# Altium PCB Front Row.PcbDoc (part 2 of 2)
Units mm, origin at the board's own origin, x right, y up, seen from the top; angles counter-clockwise.
Board outline 154 x 45 mm, 8 copper layers (Top Layer, Layer 2, Layer 3, Layer 4, Layer 5, Layer 6, Layer 7, Bottom Layer), stack 1.611 mm thick; 29 components, 105 nets, 532 pads, 156 vias.
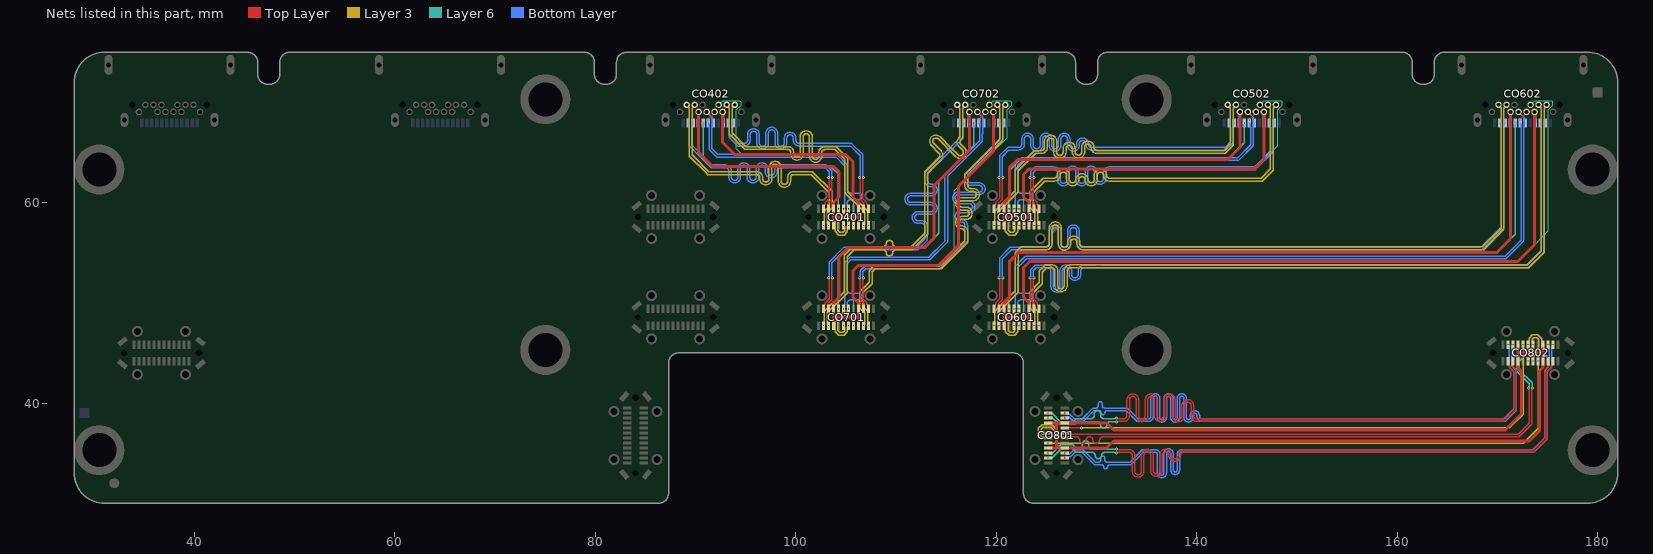
[diagram p8: the nets of this part, all layers, seen from the top]

## Via types
v1: diameter 0.3, hole 0.1, Top Layer to Bottom Layer, 156 vias

## Nets (pads, with @x,y where several pads share a name; then routed paths per layer and width w, separated by ;. In a path a pad name is that pad's centre, name@x,y a point inside that pad or via, vN(x,y) a via of type N, cw(c..) or ccw(c..) an arc to the next point about the centre after c; other vN are vias at no path point) (continued)
USB3_5V: CO401.4 CO401.9 CO401.24 CO401.29 CO402.4 CO402.9 CO402.24 CO402.29 | length 52.6
  Top Layer w0.3: CO402.29@90.3,69.05 90.3,65 91.7,63.6 103.775,63.6 104.3,63.075 104.3,60.564 103.75,60.014 CO401.4@103.75,59.39 103.75,58.56 ; CO402.24@92.7,69.05 92.7,66 93.9,64.8 105,64.8 105.7,64.1 105.7,60.564 106.25,60.014 CO401.9@106.25,59.39 106.25,58.56 ; CO401.29@103.75,57.73 103.75,58.56 ; CO401.24@106.25,57.73 106.25,58.56 ; 103.75,58.56 106.25,58.56
  Bottom Layer w0.3: CO402.4@90.25,67.94 90.275,67.965 90.275,69.025 CO402.29@90.3,69.05 ; CO402.24@92.7,69.05 92.725,69.025 92.725,67.965 CO402.9@92.75,67.94
USB3_CC1: CO401.5 CO402.5 | length 21.1
  Layer 6 w0.127: v1(90.75,67.94) 90.75,64.55 91.7,63.6 103.5,63.6 104.245,62.855 v1@104.245,59.38
  other v1: 104.25,59.39
USB3_CC2: CO401.25 CO402.25 | length 25.8
  Layer 6 w0.1: CO402.25@92.3,69.75 92.695,70.145 94.405,70.145 94.525,70.025 94.525,69.704 94.07,69.249 94.07,65.35 94.62,64.8 104.9,64.8 105.75,63.95 v1(105.75,57.73)
USB3_N: CO401.7 CO401.27 CO402.7 CO402.27 | length 28.8
  Layer 3 w0.125: v1(104.75,57.73) 104.75,57.683 104.853,57.58 104.853,57.212 104.7,57.06 104.4,57.06 104.3,57.16 104.2,57.26 104.2,57.99 105.148,58.938 105.148,59.24 105.25,59.343 v1(105.25,59.39)
  Bottom Layer w0.15: CO402.27@91.1,69.05 91.65,68.5 CO402.7@91.65,68.04 ; CO402.7@91.75,67.94 91.65,67.84 91.65,67.5 91.628,67.477 91.628,65.373 92.2,64.8 104.1,64.8 105.128,63.773 105.128,61.905 105.128,61.275 ccw(c105.456,61.275) 105.456,60.946 106.273,60.946 cw(c106.273,60.617) 106.602,60.617 cw(c106.273,60.617) 106.273,60.288 105.456,60.288 ccw(c105.456,59.959) 105.128,59.959 105.128,59.553 105.25,59.43 v1(105.25,59.39)
USB3_P: CO401.6 CO401.26 CO402.6 CO402.26 | length 27.2
  Top Layer w0.15: v1(91.25,68.25) 91.25,68.291 91.9,68.941 CO402.26@91.9,69.05
  Layer 3 w0.125: v1(104.75,59.39) 104.75,59.343 104.853,59.24 104.853,59.06 103.905,58.112 103.905,57.138 104.278,56.765 104.822,56.765 105.148,57.09 105.148,57.58 105.25,57.683 v1(105.25,57.73)
  Bottom Layer w0.15: CO402.6@91.25,67.94 91.35,67.84 91.35,67.5 91.372,67.477 91.372,65.267 92.094,64.545 103.994,64.545 104.873,63.667 104.873,59.553 104.75,59.43 v1(104.75,59.39)
USB3_RX1_N: CO401.30 CO402.30 | length 29.3
  Layer 3 w0.125: CO402.30@89.9,69.75 89.9,69.667 89.648,69.414 89.648,64.77 91.322,63.095 95.396,63.095 96.073,63.095 cw(c96.073,62.483) 96.684,62.483 96.684,62.368 ccw(c97.001,62.368) 97.317,62.368 97.317,63.496 cw(c97.929,63.496) 98.54,63.496 98.54,62.133 ccw(c98.857,62.133) 99.173,62.133 99.173,62.483 cw(c99.785,62.483) 99.785,63.095 99.995,63.095 101.64,63.095 103.608,61.127 103.608,59.475 103.148,59.015 103.148,57.88 103.25,57.777 v1(103.25,57.73)
USB3_RX1_P: CO401.31 CO402.31 | length 29.3
  Layer 3 w0.125: CO402.31@89.1,69.75 89.1,69.667 89.353,69.414 89.353,64.648 89.578,64.422 90.945,63.055 91.2,62.8 95.396,62.8 96.073,62.8 cw(c96.073,62.483) 96.389,62.483 96.389,62.368 ccw(c97.001,62.368) 97.612,62.368 97.612,63.496 cw(c97.929,63.496) 98.245,63.496 98.245,62.133 ccw(c98.857,62.133) 99.468,62.133 99.468,62.483 cw(c99.785,62.483) 99.785,62.8 99.995,62.8 101.518,62.8 103.28,61.038 103.313,61.005 103.313,59.598 102.852,59.138 102.852,57.88 102.75,57.777 v1(102.75,57.73)
USB3_RX2_N: CO401.10 CO402.10 | length 28.1
  Top Layer w0.15: v1(106.348,62.5) 106.348,62.459 106.42,62.387 106.42,60.304 106.772,59.952 106.772,59.412 CO401.10@106.75,59.39
  Bottom Layer w0.15: CO402.10@93.25,67.94 93.35,67.84 93.35,67.5 93.372,67.477 93.372,66.467 94.194,65.645 94.651,65.645 94.854,65.645 ccw(c94.854,66.229) 95.438,66.229 95.438,66.791 cw(c95.767,66.791) 96.096,66.791 96.096,65.942 ccw(c96.68,65.942) 97.264,65.942 97.264,66.928 cw(c97.593,66.928) 97.922,66.928 97.922,65.942 ccw(c98.506,65.942) 99.09,65.942 99.09,66.425 cw(c99.419,66.425) 99.748,66.425 99.748,66.229 ccw(c100.332,66.229) 100.332,65.645 101.333,65.645 102.103,65.645 102.836,65.645 102.836,65.617 103.494,65.617 103.494,65.645 103.677,65.645 105.455,65.645 106.42,64.68 106.42,62.613 106.348,62.541 v1(106.348,62.5)
USB3_RX2_P: CO401.11 CO402.11 | length 28.1
  Top Layer w0.15: v1(106.748,62.5) 106.748,62.459 106.675,62.387 106.675,60.41 107.075,60.01 107.075,59.84 107.25,59.665 CO401.11@107.25,59.39
  Bottom Layer w0.15: CO402.11@93.75,67.94 93.65,67.84 93.65,67.5 93.627,67.477 93.627,66.573 94.3,65.9 94.651,65.9 94.854,65.9 ccw(c94.854,66.229) 95.183,66.229 95.183,66.791 cw(c95.767,66.791) 96.351,66.791 96.351,65.942 ccw(c96.68,65.942) 97.009,65.942 97.009,66.928 cw(c97.593,66.928) 98.177,66.928 98.177,65.942 ccw(c98.506,65.942) 98.835,65.942 98.835,66.425 cw(c99.419,66.425) 100.003,66.425 100.003,66.229 ccw(c100.332,66.229) 100.332,65.9 101.333,65.9 105.561,65.9 106.675,64.786 106.675,62.613 106.748,62.541 v1(106.748,62.5)
USB3_TX1_N: CO401.3 CO402.3 | length 28.1
  Top Layer w0.15: CO401.3@103.25,59.39 103.228,59.412 103.228,59.952 103.58,60.304 103.58,62.387 103.653,62.459 v1(103.653,62.5)
  Bottom Layer w0.15: CO402.3@89.75,67.94 89.65,67.84 89.65,67.5 89.628,67.477 89.628,65.733 91.606,63.755 91.86,63.755 92.975,63.755 cw(c92.975,63.171) 93.559,63.171 93.559,62.546 ccw(c93.888,62.546) 94.217,62.546 94.217,63.382 cw(c94.801,63.382) 95.385,63.382 95.385,62.546 ccw(c95.714,62.546) 96.043,62.546 96.043,63.382 cw(c96.627,63.382) 97.211,63.382 97.211,63.04 ccw(c97.54,63.04) 97.869,63.04 97.869,63.171 cw(c98.453,63.171) 98.453,63.755 99.217,63.755 99.846,63.755 99.921,63.755 99.921,63.783 100.579,63.783 100.579,63.755 100.826,63.755 103.006,63.755 103.58,63.181 103.58,62.613 103.653,62.541 v1(103.653,62.5)
USB3_TX1_P: CO401.2 CO402.2 | length 28.1
  Top Layer w0.15: CO401.2@102.75,59.39 102.75,59.665 102.925,59.84 102.925,60.01 103.325,60.41 103.325,62.387 103.253,62.459 v1(103.253,62.5)
  Bottom Layer w0.15: CO402.2@89.25,67.94 89.35,67.84 89.35,67.5 89.373,67.477 89.373,65.627 91.5,63.5 91.86,63.5 92.975,63.5 cw(c92.975,63.171) 93.304,63.171 93.304,62.546 ccw(c93.888,62.546) 94.472,62.546 94.472,63.382 cw(c94.801,63.382) 95.13,63.382 95.13,62.546 ccw(c95.714,62.546) 96.298,62.546 96.298,63.382 cw(c96.627,63.382) 96.956,63.382 96.956,63.04 ccw(c97.54,63.04) 98.124,63.04 98.124,63.171 cw(c98.453,63.171) 98.453,63.5 99.217,63.5 102.9,63.5 103.325,63.075 103.325,62.613 103.253,62.541 v1(103.253,62.5)
USB3_TX2_N: CO401.23 CO402.23 | length 29.3
  Layer 3 w0.125: CO402.23@93.1,69.75 93.1,69.667 93.352,69.414 93.352,66.83 93.883,66.3 94.091,66.091 94.883,65.3 97.204,65.3 99.18,65.3 cw(c99.18,64.983) 99.497,64.983 99.497,64.848 ccw(c100.108,64.848) 100.72,64.848 100.72,66.546 cw(c101.036,66.546) 101.353,66.546 101.353,64.632 ccw(c101.964,64.632) 102.576,64.632 102.576,64.983 cw(c102.892,64.983) 102.892,65.3 103.102,65.3 103.9,65.3 104.7,64.5 104.9,64.3 104.9,60.968 106.853,59.015 106.853,57.88 106.75,57.777 v1(106.75,57.73)
USB3_TX2_P: CO401.22 CO402.22 | length 29.3
  Layer 3 w0.125: CO402.22@93.9,69.75 93.9,69.667 93.647,69.414 93.647,66.953 95.005,65.595 97.204,65.595 99.18,65.595 cw(c99.18,64.983) 99.792,64.983 99.792,64.848 ccw(c100.108,64.848) 100.425,64.848 100.425,66.546 cw(c101.036,66.546) 101.648,66.546 101.648,64.632 ccw(c101.964,64.632) 102.281,64.632 102.281,64.983 cw(c102.892,64.983) 102.892,65.595 103.102,65.595 104.022,65.595 105.195,64.422 105.195,61.09 107.148,59.138 107.148,57.88 107.25,57.777 v1(107.25,57.73)
USB4_5V: CO501.4 CO501.9 CO501.24 CO501.29 CO502.4 CO502.9 CO502.24 CO502.29 | length 72.8
  Top Layer w0.3: CO501.29@120.75,57.73 120.75,58.56 ; CO501.24@123.25,57.73 123.25,58.56 ; CO502.29@144.3,69.05 144.3,65.5 143.1,64.3 122.125,64.3 121.3,63.475 121.3,60.564 120.75,60.014 CO501.4@120.75,59.39 120.75,58.56 ; CO502.24@146.7,69.05 146.7,64.3 145.775,63.375 123.275,63.375 122.7,62.8 122.7,60.564 123.25,60.014 CO501.9@123.25,59.39 123.25,58.56 ; 120.75,58.56 123.25,58.56
  Bottom Layer w0.3: CO502.4@144.25,67.94 144.275,67.965 144.275,69.025 CO502.29@144.3,69.05 ; CO502.24@146.7,69.05 146.725,69.025 146.725,67.965 CO502.9@146.75,67.94
USB4_CC1: CO501.5 CO502.5 | length 30.4
  Layer 6 w0.127: v1@121.245,59.38 121.245,63.145 122.4,64.3 143.1,64.3 144.75,65.95 v1(144.75,67.94)
  other v1: 121.25,59.39
USB4_CC2: CO501.25 CO502.25 | length 38.6
  Layer 6 w0.1: v1(122.75,57.73) 122.75,62.85 123.3,63.4 134.213,63.4 145.8,63.4 146.3,63.9 148.07,65.67 148.07,69.249 148.525,69.704 148.525,70.025 148.405,70.145 146.695,70.145 CO502.25@146.3,69.75
USB4_N: CO501.7 CO501.27 CO502.7 CO502.27 | length 38.6
  Layer 3 w0.125: v1(121.75,57.73) 121.75,57.683 121.852,57.58 121.852,57.212 121.7,57.06 121.4,57.06 121.3,57.16 121.2,57.26 121.2,57.99 122.148,58.938 122.148,59.24 122.25,59.343 v1(122.25,59.39)
  Bottom Layer w0.15: v1(122.25,59.39) 122.25,59.43 122.128,59.553 122.128,59.959 cw(c122.456,59.959) 122.456,60.288 123.273,60.288 ccw(c123.273,60.617) 123.602,60.617 ccw(c123.273,60.617) 123.273,60.946 122.456,60.946 cw(c122.456,61.275) 122.128,61.275 122.128,61.679 122.128,63.728 122.6,64.2 144.161,64.2 145.628,65.667 145.628,67.477 145.65,67.5 145.65,67.84 CO502.7@145.75,67.94 ; CO502.27@145.1,69.05 145.65,68.5 CO502.7@145.65,68.04
USB4_P: CO501.6 CO501.26 CO502.6 CO502.26 | length 37
  Top Layer w0.15: v1(145.25,68.25) 145.25,68.291 145.9,68.941 CO502.26@145.9,69.05
  Layer 3 w0.125: v1(121.75,59.39) 121.75,59.343 121.852,59.24 121.852,59.06 120.905,58.112 120.905,57.138 121.278,56.765 121.822,56.765 122.148,57.09 122.148,57.58 122.25,57.683 v1(122.25,57.73)
  Bottom Layer w0.15: v1(121.75,59.39) 121.75,59.43 121.872,59.553 121.872,63.833 122.494,64.455 144.055,64.455 145.373,65.772 145.373,67.477 145.35,67.5 145.35,67.84 CO502.6@145.25,67.94
USB4_RX1_N: CO501.30 CO502.30 | length 39.1
  Layer 3 w0.125: v1(120.25,57.73) 120.25,57.777 120.147,57.88 120.147,59.015 122.195,61.063 122.195,63.178 123.917,64.9 124.273,64.9 124.483,64.9 ccw(c124.483,65.511) 125.094,65.511 125.094,66.12 cw(c125.411,66.12) 125.727,66.12 125.727,65.013 ccw(c126.339,65.013) 126.95,65.013 126.95,65.396 cw(c127.267,65.396) 127.583,65.396 127.583,65.047 ccw(c128.195,65.047) 128.806,65.047 128.806,65.512 cw(c129.123,65.512) 129.439,65.512 ccw(c130.051,65.511) 130.051,64.9 137.2,64.9 142.817,64.9 143.648,65.73 143.648,69.414 143.9,69.667 CO502.30@143.9,69.75
USB4_RX1_P: CO501.31 CO502.31 | length 39.1
  Layer 3 w0.125: v1(119.75,57.73) 119.75,57.777 119.852,57.88 119.852,59.138 121.9,61.185 121.9,63.3 123.795,65.195 124.273,65.195 124.483,65.195 ccw(c124.483,65.511) 124.799,65.511 124.799,66.12 cw(c125.411,66.12) 126.022,66.12 126.022,65.013 ccw(c126.339,65.013) 126.655,65.013 126.655,65.396 cw(c127.267,65.396) 127.878,65.396 127.878,65.047 ccw(c128.195,65.047) 128.511,65.047 128.511,65.512 cw(c129.123,65.512) 129.734,65.512 ccw(c130.051,65.511) 130.051,65.195 137.2,65.195 142.695,65.195 143.352,65.852 143.352,69.414 143.1,69.667 CO502.31@143.1,69.75
USB4_RX2_N: CO501.10 CO502.10 | length 39.1
  Top Layer w0.15: v1(123.348,62.5) 123.348,62.459 123.42,62.387 123.42,60.304 123.772,59.952 123.772,59.412 CO501.10@123.75,59.39
  Bottom Layer w0.15: v1(123.348,62.5) 123.348,62.541 123.42,62.613 123.42,63.106 123.869,63.555 124.669,63.555 125.785,63.555 cw(c125.785,62.971) 126.369,62.971 126.369,62.255 ccw(c126.698,62.255) 127.027,62.255 127.027,63.064 cw(c127.611,63.064) 128.195,63.064 128.195,62.255 ccw(c128.524,62.255) 128.853,62.255 128.853,63.064 cw(c129.437,63.064) 130.021,63.064 130.021,62.408 ccw(c130.35,62.408) 130.679,62.408 130.679,62.971 cw(c131.263,62.971) 131.263,63.555 132.585,63.555 132.895,63.555 132.97,63.555 132.97,63.583 133.628,63.583 133.628,63.555 133.958,63.555 145.755,63.555 147.372,65.172 147.372,67.477 147.35,67.5 147.35,67.84 CO502.10@147.25,67.94
USB4_RX2_P: CO501.11 CO502.11 | length 39.1
  Top Layer w0.15: v1(123.747,62.5) 123.747,62.459 123.675,62.387 123.675,60.41 124.075,60.01 124.075,59.84 124.25,59.665 CO501.11@124.25,59.39
  Bottom Layer w0.15: v1(123.747,62.5) 123.747,62.541 123.675,62.613 123.675,63 123.975,63.3 124.669,63.3 125.785,63.3 cw(c125.785,62.971) 126.114,62.971 126.114,62.255 ccw(c126.698,62.255) 127.282,62.255 127.282,63.064 cw(c127.611,63.064) 127.94,63.064 127.94,62.255 ccw(c128.524,62.255) 129.108,62.255 129.108,63.064 cw(c129.437,63.064) 129.766,63.064 129.766,62.408 ccw(c130.35,62.408) 130.934,62.408 130.934,62.971 cw(c131.263,62.971) 131.263,63.3 132.585,63.3 145.861,63.3 147.628,65.067 147.628,67.477 147.65,67.5 147.65,67.84 CO502.11@147.75,67.94
USB4_TX1_N: CO501.3 CO502.3 | length 39.1
  Top Layer w0.15: CO501.3@120.25,59.39 120.228,59.412 120.228,59.952 120.58,60.304 120.58,62.387 120.652,62.459 v1(120.652,62.5)
  Bottom Layer w0.15: v1(120.652,62.5) 120.652,62.541 120.58,62.613 120.58,64.58 121.245,65.245 122.003,65.245 122.206,65.245 ccw(c122.206,65.829) 122.79,65.829 122.79,66.331 cw(c123.119,66.331) 123.448,66.331 123.448,65.704 ccw(c124.032,65.704) 124.616,65.704 124.616,66.331 cw(c124.945,66.331) 125.274,66.331 125.274,65.704 ccw(c125.858,65.704) 126.442,65.704 126.442,66.331 cw(c126.771,66.331) 127.1,66.331 127.1,65.704 ccw(c127.684,65.704) 128.268,65.704 128.268,65.86 cw(c128.597,65.86) 128.926,65.86 128.926,65.829 ccw(c129.51,65.829) 129.51,65.245 130.501,65.245 130.526,65.245 131.259,65.245 131.259,65.217 131.917,65.217 131.917,65.245 132.52,65.245 142.906,65.245 143.628,65.967 143.628,67.477 143.65,67.5 143.65,67.84 CO502.3@143.75,67.94
USB4_TX1_P: CO501.2 CO502.2 | length 39.1
  Top Layer w0.15: CO501.2@119.75,59.39 119.75,59.665 119.925,59.84 119.925,60.01 120.325,60.41 120.325,62.387 120.253,62.459 v1(120.253,62.5)
  Bottom Layer w0.15: v1(120.253,62.5) 120.253,62.541 120.325,62.613 120.325,64.686 121.139,65.5 122.003,65.5 122.206,65.5 ccw(c122.206,65.829) 122.535,65.829 122.535,66.331 cw(c123.119,66.331) 123.703,66.331 123.703,65.704 ccw(c124.032,65.704) 124.361,65.704 124.361,66.331 cw(c124.945,66.331) 125.529,66.331 125.529,65.704 ccw(c125.858,65.704) 126.187,65.704 126.187,66.331 cw(c126.771,66.331) 127.355,66.331 127.355,65.704 ccw(c127.684,65.704) 128.013,65.704 128.013,65.86 cw(c128.597,65.86) 129.181,65.86 129.181,65.829 ccw(c129.51,65.829) 129.51,65.5 130.501,65.5 142.8,65.5 143.373,66.072 143.373,67.477 143.35,67.5 143.35,67.84 CO502.2@143.25,67.94
USB4_TX2_N: CO501.23 CO502.23 | length 39.1
  Layer 3 w0.125: v1(123.75,57.73) 123.75,57.777 123.853,57.88 123.853,59.015 123.392,59.475 123.392,61.127 124.684,62.419 125.54,62.419 125.75,62.419 ccw(c125.75,62.736) 126.067,62.736 cw(c126.678,62.736) 127.29,62.736 127.29,62.272 ccw(c127.606,62.272) 127.923,62.272 cw(c128.534,62.272) 129.146,62.272 ccw(c129.462,62.272) 129.779,62.272 129.779,62.736 cw(c130.39,62.736) 131.002,62.736 ccw(c131.318,62.736) 131.318,62.419 132.925,62.419 146.419,62.419 147.352,63.352 147.352,69.414 147.1,69.667 CO502.23@147.1,69.75
USB4_TX2_P: CO501.22 CO502.22 | length 39.1
  Layer 3 w0.125: v1(124.25,57.73) 124.25,57.777 124.148,57.88 124.148,59.138 123.687,59.598 123.687,61.005 123.72,61.038 124.807,62.124 125.54,62.124 125.75,62.124 ccw(c125.75,62.736) 126.362,62.736 cw(c126.678,62.736) 126.995,62.736 126.995,62.272 ccw(c127.606,62.272) 128.218,62.272 cw(c128.534,62.272) 128.851,62.272 ccw(c129.462,62.272) 130.074,62.272 130.074,62.736 cw(c130.39,62.736) 130.707,62.736 ccw(c131.318,62.736) 131.318,62.124 132.925,62.124 146.541,62.124 147.647,63.23 147.647,69.414 147.9,69.667 CO502.22@147.9,69.75
USB5_5V: CO601.4 CO601.9 CO601.24 CO601.29 CO602.4 CO602.9 CO602.24 CO602.29 | length 146.2
  Top Layer w0.3: CO601.29@120.75,47.73 120.75,48.56 ; CO601.24@123.25,47.73 123.25,48.56 ; CO602.29@171.3,69.05 171.3,56.4 169.9,55 166.9,55 122.2,55 121.3,54.1 121.3,50.564 120.75,50.014 CO601.4@120.75,49.39 120.75,48.56 ; CO602.24@173.7,69.05 173.7,55.8 172,54.1 166.9,54.1 123.3,54.1 122.7,53.5 122.7,50.564 123.25,50.014 CO601.9@123.25,49.39 123.25,48.56 ; 120.75,48.56 123.25,48.56
  Bottom Layer w0.3: CO602.4@171.25,67.94 171.275,67.965 171.275,69.025 CO602.29@171.3,69.05 ; CO602.24@173.7,69.05 173.725,69.025 173.725,67.965 CO602.9@173.75,67.94
USB5_CC1: CO601.5 CO602.5 | length 67.4
  Layer 6 w0.127: v1(121.25,49.39) 121.25,54.05 122.2,55 169.9,55 171.75,56.85 v1(171.75,67.94)
USB5_CC2: CO601.25 CO602.25 | length 75.1
  Layer 6 w0.1: v1(122.75,47.73) 122.75,53.55 123.3,54.1 172,54.1 173.3,55.4 175.07,57.17 175.07,69.249 175.525,69.704 175.525,70.025 175.405,70.145 173.695,70.145 CO602.25@173.3,69.75
USB5_N: CO601.7 CO601.27 CO602.7 CO602.27 | length 75.2
  Layer 3 w0.125: v1(121.75,47.73) 121.75,47.683 121.852,47.58 121.852,47.213 121.7,47.06 121.4,47.06 121.3,47.16 121.2,47.26 121.2,47.99 122.148,48.938 122.148,49.24 122.25,49.343 v1(122.25,49.39)
  Bottom Layer w0.15: v1(122.25,49.39) 122.25,49.43 122.128,49.553 122.128,49.959 cw(c122.456,49.959) 122.456,50.288 123.273,50.288 ccw(c123.273,50.617) 123.602,50.617 ccw(c123.273,50.617) 123.273,50.946 122.456,50.946 cw(c122.456,51.275) 122.128,51.275 122.128,51.692 122.128,53.528 123,54.4 170.861,54.4 172.628,56.167 172.628,67.477 172.65,67.5 172.65,67.84 CO602.7@172.75,67.94 ; CO602.27@172.1,69.05 172.65,68.5 CO602.7@172.65,68.04
USB5_P: CO601.6 CO601.26 CO602.6 CO602.26 | length 73.6
  Top Layer w0.15: v1(172.25,68.25) 172.25,68.291 172.9,68.941 CO602.26@172.9,69.05
  Layer 3 w0.125: v1(121.75,49.39) 121.75,49.343 121.852,49.24 121.852,49.06 120.905,48.112 120.905,47.138 121.278,46.765 121.822,46.765 122.148,47.09 122.148,47.58 122.25,47.683 v1(122.25,47.73)
  Bottom Layer w0.15: v1(121.75,49.39) 121.75,49.43 121.872,49.553 121.872,53.633 122.894,54.655 170.755,54.655 172.373,56.272 172.373,67.477 172.35,67.5 172.35,67.84 CO602.6@172.25,67.94
USB5_RX1_N: CO601.30 CO602.30 | length 76.1
  Layer 3 w0.125: v1(120.25,47.73) 120.25,47.777 120.147,47.88 120.147,49.015 122.195,51.063 122.195,54.895 122.6,55.3 124.733,55.3 124.943,55.3 ccw(c124.943,55.912) 125.554,55.912 125.554,57.456 cw(c125.871,57.456) 126.187,57.456 126.187,55.847 ccw(c126.799,55.847) 127.41,55.847 127.41,56.047 cw(c127.727,56.047) 128.043,56.047 128.043,55.912 ccw(c128.655,55.912) 128.655,55.3 129.483,55.3 166.9,55.3 168.617,55.3 170.648,57.33 170.648,69.414 ; 170.648,69.414 CO602.30@170.9,69.667 ; 170.647,69.414 CO602.30@170.9,69.667 ; CO602.30@170.9,69.667 CO602.30@170.9,69.75 CO602.30@170.9,69.667
USB5_RX1_P: CO601.31 CO602.31 | length 76.1
  Layer 3 w0.125: v1(119.75,47.73) 119.75,47.777 119.852,47.88 119.852,49.138 121.9,51.185 121.9,55.017 122.478,55.595 124.733,55.595 124.943,55.595 ccw(c124.943,55.912) 125.259,55.912 125.259,57.456 cw(c125.871,57.456) 126.482,57.456 126.482,55.847 ccw(c126.799,55.847) 127.115,55.847 127.115,56.047 cw(c127.727,56.047) 128.338,56.047 128.338,55.912 ccw(c128.655,55.912) 128.655,55.595 129.483,55.595 166.9,55.595 168.495,55.595 170.353,57.453 170.353,69.414 ; CO602.31@170.1,69.667 CO602.31@170.1,69.75 CO602.31@170.1,69.667 ; CO602.31@170.1,69.667 170.352,69.414 ; CO602.31@170.1,69.667 170.353,69.414
USB5_RX2_N: CO601.10 CO602.10 | length 74.6
  Top Layer w0.15: v1(123.348,52.5) 123.348,52.459 123.42,52.387 123.42,50.304 123.772,49.952 123.772,49.412 CO601.10@123.75,49.39
  Bottom Layer w0.15: v1(123.348,52.5) 123.348,52.541 123.42,52.613 123.42,53.306 123.869,53.755 123.983,53.755 125.098,53.755 cw(c125.098,53.171) 125.682,53.171 125.682,51.653 ccw(c126.011,51.653) 126.34,51.653 126.34,53.201 cw(c126.924,53.201) 127.508,53.201 127.508,52.825 ccw(c127.837,52.825) 128.166,52.825 128.166,53.171 cw(c128.75,53.171) 128.75,53.755 129.834,53.755 129.84,53.755 129.915,53.755 129.915,53.783 130.573,53.783 130.573,53.755 131.26,53.755 172.955,53.755 174.372,55.172 174.372,67.477 174.35,67.5 174.35,67.84 CO602.10@174.25,67.94
USB5_RX2_P: CO601.11 CO602.11 | length 74.6
  Top Layer w0.15: v1(123.747,52.5) 123.747,52.459 123.675,52.387 123.675,50.41 124.075,50.01 124.075,49.84 124.25,49.665 CO601.11@124.25,49.39
  Bottom Layer w0.15: v1(123.747,52.5) 123.747,52.541 123.675,52.613 123.675,53.2 123.975,53.5 123.983,53.5 125.098,53.5 cw(c125.098,53.171) 125.427,53.171 125.427,51.653 ccw(c126.011,51.653) 126.595,51.653 126.595,53.201 cw(c126.924,53.201) 127.253,53.201 127.253,52.825 ccw(c127.837,52.825) 128.421,52.825 128.421,53.171 cw(c128.75,53.171) 128.75,53.5 129.834,53.5 173.061,53.5 174.627,55.067 174.627,67.477 174.65,67.5 174.65,67.84 CO602.11@174.75,67.94
USB5_TX1_N: CO601.3 CO602.3 | length 74.4
  Top Layer w0.15: CO601.3@120.25,49.39 120.228,49.412 120.228,49.952 120.58,50.304 120.58,52.387 120.652,52.459 v1(120.652,52.5)
  Bottom Layer w0.15: v1(120.652,52.5) 120.652,52.541 120.58,52.613 120.58,54.38 121.5,55.3 124.753,55.3 124.955,55.3 ccw(c124.955,55.884) 125.539,55.884 125.539,57.179 cw(c125.868,57.179) 126.197,57.179 126.197,55.852 ccw(c126.781,55.852) 127.365,55.852 127.365,57.179 cw(c127.694,57.179) 128.023,57.179 128.023,55.884 ccw(c128.607,55.884) 128.607,55.3 129.41,55.3 130.143,55.3 130.143,55.272 130.801,55.272 130.801,55.3 131.176,55.3 168.461,55.3 170.628,57.467 170.628,67.477 170.65,67.5 170.65,67.84 CO602.3@170.75,67.94
USB5_TX1_P: CO601.2 CO602.2 | length 74.5
  Top Layer w0.15: CO601.2@119.75,49.39 119.75,49.665 119.925,49.84 119.925,50.01 120.325,50.41 120.325,52.387 120.253,52.459 v1(120.253,52.5)
  Bottom Layer w0.15: v1(120.253,52.5) 120.253,52.541 120.325,52.613 120.325,54.486 121.394,55.555 124.753,55.555 124.955,55.555 ccw(c124.955,55.884) 125.284,55.884 125.284,57.179 cw(c125.868,57.179) 126.452,57.179 126.452,55.852 ccw(c126.781,55.852) 127.11,55.852 127.11,57.179 cw(c127.694,57.179) 128.278,57.179 128.278,55.884 ccw(c128.607,55.884) 128.607,55.555 129.41,55.555 168.355,55.555 170.373,57.573 170.373,67.477 170.35,67.5 170.35,67.84 CO602.2@170.25,67.94
USB5_TX2_N: CO601.23 CO602.23 | length 75.6
  Layer 3 w0.125: v1(123.75,47.73) 123.75,47.777 123.853,47.88 123.853,49.015 123.392,49.475 123.392,51.127 124.3,52.035 124.3,53.2 124.616,53.516 124.895,53.795 125.522,53.795 cw(c125.522,53.184) 126.134,53.184 126.134,51.703 ccw(c126.45,51.703) 126.767,51.703 126.767,53.184 cw(c127.378,53.184) 127.378,53.795 128.632,53.795 172.973,53.795 174.352,55.175 174.352,69.414 174.1,69.667 CO602.23@174.1,69.75
USB5_TX2_P: CO601.22 CO602.22 | length 75.6
  Layer 3 w0.125: v1(124.25,47.73) 124.25,47.777 124.148,47.88 124.148,49.138 123.687,49.598 123.687,51.005 123.72,51.038 124.595,51.913 124.595,53.078 124.616,53.099 125.017,53.5 125.522,53.5 cw(c125.522,53.184) 125.839,53.184 125.839,51.703 ccw(c126.45,51.703) 127.062,51.703 127.062,53.184 cw(c127.378,53.184) 127.378,53.5 128.632,53.5 173.095,53.5 174.647,55.053 174.647,69.414 174.9,69.667 CO602.22@174.9,69.75
USB6_5V: CO701.4 CO701.9 CO701.24 CO701.29 CO702.4 CO702.9 CO702.24 CO702.29 | length 68.2
  Top Layer w0.3: CO701.29@103.75,47.73 103.75,48.56 ; CO701.24@106.25,47.73 106.25,48.56 ; CO702.29@117.3,69.05 117.3,65.2 113.8,61.7 113.8,56.5 112.8,55.5 105.2,55.5 104.3,54.6 104.3,50.564 103.75,50.014 CO701.4@103.75,49.39 103.75,48.56 ; CO702.24@119.7,69.05 119.7,65.1 116.2,61.6 116.2,55.7 114.2,53.7 106.2,53.7 105.7,53.2 105.7,50.564 106.25,50.014 CO701.9@106.25,49.39 106.25,48.56 ; 103.75,48.56 106.25,48.56
  Bottom Layer w0.3: CO702.4@117.25,67.94 117.275,67.965 117.275,69.025 CO702.29@117.3,69.05 ; CO702.24@119.7,69.05 119.725,69.025 119.725,67.965 CO702.9@119.75,67.94
USB6_CC1: CO701.5 CO702.5 | length 28.6
  Layer 6 w0.127: v1@104.245,49.38 104.245,54.545 105.2,55.5 112.8,55.5 114.25,56.95 114.25,62.15 117.75,65.65 v1(117.75,67.94)
  other v1: 104.25,49.39
USB6_CC2: CO701.25 CO702.25 | length 36
  Layer 6 w0.1: v1(105.75,47.73) 105.75,53.25 106.2,53.7 114.3,53.7 115.8,55.2 115.8,61.2 119.3,64.7 121.07,66.47 121.07,69.249 121.525,69.704 121.525,70.025 121.405,70.145 119.695,70.145 CO702.25@119.3,69.75
USB6_N: CO701.7 CO701.27 CO702.7 CO702.27 | length 36.4
  Layer 3 w0.125: v1(104.75,47.73) 104.75,47.683 104.853,47.58 104.853,47.213 104.7,47.06 104.4,47.06 104.3,47.16 104.2,47.26 104.2,47.99 105.148,48.938 105.148,49.24 105.25,49.343 v1(105.25,49.39)
  Bottom Layer w0.15: v1(105.25,49.39) 105.25,49.43 105.128,49.553 105.128,49.959 cw(c105.456,49.959) 105.456,50.288 106.275,50.288 ccw(c106.275,50.617) 106.604,50.617 ccw(c106.275,50.617) 106.275,50.946 105.456,50.946 cw(c105.456,51.275) 105.128,51.275 105.128,52 105.128,53.928 105.5,54.3 113.361,54.3 115.128,56.067 115.128,62.627 118.614,66.114 118.614,66.854 118.622,66.863 118.622,67.472 118.65,67.5 118.65,67.84 CO702.7@118.75,67.94 ; CO702.27@118.1,69.05 118.65,68.5 CO702.7@118.65,68.04
USB6_P: CO701.6 CO701.26 CO702.6 CO702.26 | length 34.8
  Top Layer w0.15: v1(118.25,68.25) 118.25,68.291 118.9,68.941 CO702.26@118.9,69.05
  Layer 3 w0.125: v1(104.75,49.39) 104.75,49.343 104.853,49.24 104.853,49.06 103.905,48.112 103.905,47.138 104.278,46.765 104.822,46.765 105.148,47.09 105.148,47.58 105.25,47.683 v1(105.25,47.73)
  Bottom Layer w0.15: v1(104.75,49.39) 104.75,49.43 104.873,49.553 104.873,54.033 105.394,54.555 113.255,54.555 114.873,56.173 114.873,62.733 118.359,66.219 118.359,66.96 118.367,66.969 118.367,67.482 ; CO702.6@118.25,67.94 118.35,67.84 118.35,67.5 118.367,67.482 ; 118.372,67.477 118.367,67.482
USB6_RX1_N: CO701.30 CO702.30 | length 37.6
  Layer 3 w0.125: v1(103.25,47.73) 103.25,47.777 103.148,47.88 103.148,49.015 105.1,50.968 105.1,54.6 105.8,55.3 108.005,55.3 108.701,55.3 cw(c108.701,54.984) 109.017,54.984 ccw(c109.334,54.983) 109.334,54.667 ccw(c109.334,54.983) 109.65,54.983 cw(c109.967,54.984) 109.967,55.3 110.603,55.3 111.622,55.3 113.148,56.825 113.148,62.948 113.761,63.561 114.487,64.287 ccw(c114.055,64.72) 114.487,65.152 113.734,65.905 cw(c113.958,66.129) 114.181,66.353 115.972,64.562 ccw(c116.405,64.994) 116.838,64.561 ccw(c116.405,64.994) 116.881,65.378 116.881,65.383 116.456,65.808 cw(c116.68,66.032) 116.456,66.256 116.604,66.404 116.648,66.448 116.648,69.414 116.9,69.667 CO702.30@116.9,69.75
USB6_RX1_P: CO701.31 CO702.31 | length 37.6
  Layer 3 w0.125: v1(102.75,47.73) 102.75,47.777 102.852,47.88 102.852,49.138 104.805,51.09 104.805,54.722 105.678,55.595 107.378,55.595 108.706,55.595 ccw(c108.706,55.912) 109.023,55.912 cw(c109.339,55.912) 109.339,56.229 cw(c109.339,55.912) 109.656,55.912 ccw(c109.972,55.912) 109.972,55.595 110.699,55.595 111.5,55.595 112.853,56.948 112.853,63.07 113.552,63.77 114.279,64.496 ccw(c114.055,64.72) 114.279,64.943 113.525,65.697 cw(c113.958,66.129) 113.524,66.561 113.525,66.562 cw(c113.958,66.129) 114.39,66.562 115.469,65.483 116.182,64.77 ccw(c116.405,64.994) 116.629,64.77 ccw(c116.405,64.994) 116.629,65.218 ; CO702.31@116.1,69.75 116.1,69.667 116.353,69.414 116.353,66.656 116.353,66.57 116.246,66.463 ccw(c116.68,66.032) 116.248,65.599 116.628,65.218
USB6_RX2_N: CO701.10 CO702.10 | length 36.4
  Top Layer w0.15: v1(106.348,52.5) 106.348,52.459 106.42,52.387 106.42,50.304 106.772,49.952 106.772,49.412 CO701.10@106.75,49.39
  Bottom Layer w0.15: v1(106.348,52.5) 106.348,52.541 106.42,52.613 106.42,53.206 106.869,53.655 107.323,53.655 107.398,53.655 107.398,53.684 108.056,53.684 108.056,53.655 108.708,53.655 114.255,53.655 116.257,55.657 116.872,56.272 116.872,57.733 ccw(c116.544,57.733) 116.544,58.062 116.485,58.062 cw(c116.485,58.646) 116.485,59.23 117.288,59.23 ccw(c117.288,59.558) 117.288,59.887 116.216,59.887 cw(c116.216,60.471) 116.216,61.055 118.291,61.055 ccw(c118.291,61.384) 118.291,61.713 117.456,61.713 cw(c117.456,62.297) 116.872,62.297 116.872,62.5 116.872,62.873 120.367,66.367 120.367,67.482 ; CO702.10@120.25,67.94 120.35,67.84 120.35,67.5 120.367,67.482 ; 120.372,67.477 120.367,67.482
USB6_RX2_P: CO701.11 CO702.11 | length 36.5
  Top Layer w0.15: v1(106.748,52.5) 106.748,52.459 106.675,52.387 106.675,50.41 107.075,50.01 107.075,49.84 107.25,49.665 CO701.11@107.25,49.39
  Bottom Layer w0.15: v1(106.748,52.5) 106.748,52.541 106.675,52.613 106.675,53.1 106.975,53.4 114.361,53.4 116.618,55.657 117.128,56.167 117.128,57.733 ccw(c116.544,57.733) 116.544,58.317 116.485,58.317 cw(c116.485,58.646) 116.485,58.974 117.288,58.974 ccw(c117.288,59.558) 117.288,60.142 116.216,60.142 cw(c116.216,60.471) 116.216,60.8 118.291,60.8 ccw(c118.291,61.384) 118.291,61.968 117.456,61.968 cw(c117.456,62.297) 117.128,62.297 117.128,62.5 117.128,62.767 120.622,66.262 120.622,67.472 120.65,67.5 120.65,67.84 CO702.11@120.75,67.94
USB6_TX1_N: CO701.3 CO702.3 | length 36.9
  Top Layer w0.15: CO701.3@103.25,49.39 103.228,49.412 103.228,49.952 103.58,50.304 103.58,52.387 103.653,52.459 v1(103.653,52.5)
  Bottom Layer w0.15: v1(103.653,52.5) 103.653,52.541 103.58,52.613 103.58,53.98 104.9,55.3 106.888,55.3 107.621,55.3 107.621,55.272 108.279,55.272 108.279,55.3 108.712,55.3 112.161,55.3 113.128,56.267 113.128,56.4 113.128,57.605 ccw(c112.544,57.605) 112.544,58.189 112.189,58.189 cw(c112.189,58.518) 112.189,58.847 113.502,58.847 ccw(c113.502,59.431) 113.502,60.015 111.457,60.015 cw(c111.457,60.344) 111.457,60.673 113.502,60.673 ccw(c113.502,61.257) 113.502,61.841 ; 113.502,61.841 113.457,61.841 cw(c113.457,62.17) 113.128,62.17 113.128,62.372 113.128,62.867 116.628,66.367 116.628,67.477 116.65,67.5 116.65,67.84 CO702.3@116.75,67.94
USB6_TX1_P: CO701.2 CO702.2 | length 37
  Top Layer w0.15: CO701.2@102.75,49.39 102.75,49.665 102.925,49.84 102.925,50.01 103.325,50.41 103.325,52.387 103.253,52.459 v1(103.253,52.5)
  Bottom Layer w0.15: v1(103.253,52.5) 103.253,52.541 103.325,52.613 103.325,54.086 104.794,55.555 112.055,55.555 112.873,56.372 112.873,56.4 112.873,57.605 ccw(c112.544,57.605) 112.544,57.934 112.189,57.934 cw(c112.189,58.518) 112.189,59.102 113.502,59.102 ccw(c113.502,59.431) 113.502,59.76 111.457,59.76 cw(c111.457,60.344) 111.457,60.928 113.502,60.928 ccw(c113.502,61.257) 113.502,61.586 113.457,61.586 cw(c113.457,62.17) 112.873,62.17 112.873,62.372 112.873,62.973 116.373,66.473 116.373,67.477 116.35,67.5 116.35,67.84 CO702.2@116.25,67.94
USB6_TX2_N: CO701.23 CO702.23 | length 36.9
  Layer 3 w0.125: v1(106.75,47.73) 106.75,47.777 106.853,47.88 106.853,49.015 106.392,49.475 106.392,51.127 107.3,52.035 107.3,53.217 107.778,53.695 114.395,53.695 116.852,56.152 116.852,57.08 ccw(c116.536,57.08) 116.536,57.396 cw(c116.536,58.008) 116.536,58.619 116.976,58.619 ccw(c116.976,58.936) 116.976,59.252 116.552,59.252 cw(c116.552,59.864) 116.552,60.475 117.693,60.475 ccw(c117.693,60.792) 117.693,61.108 117.464,61.108 cw(c117.464,61.72) 116.852,61.72 116.852,61.93 116.852,62.77 120.352,66.27 120.352,69.414 120.1,69.667 CO702.23@120.1,69.75
USB6_TX2_P: CO701.22 CO702.22 | length 36.9
  Layer 3 w0.125: v1(107.25,47.73) 107.25,47.777 107.148,47.88 107.148,49.138 106.688,49.598 106.688,51.005 106.72,51.038 107.595,51.913 107.595,53.095 107.9,53.4 114.517,53.4 117.148,56.03 117.148,56.152 117.148,57.08 ccw(c116.536,57.08) 116.536,57.691 cw(c116.536,58.008) 116.536,58.324 116.976,58.324 ccw(c116.976,58.936) 116.976,59.547 116.552,59.547 cw(c116.552,59.864) 116.552,60.18 117.693,60.18 ccw(c117.693,60.792) 117.693,61.403 117.464,61.403 cw(c117.464,61.72) 117.148,61.72 117.148,61.93 117.148,62.647 120.647,66.147 120.647,69.414 120.9,69.667 CO702.22@120.9,69.75
USB7_5V: CO801.4 CO801.9 CO801.24 CO801.29 CO802.4 CO802.9 CO802.24 CO802.29 | length 118.7
  Top Layer w0.3: CO801.4@125.17,35.513 126,35.513 ; CO801.9@125.17,38.013 126,38.013 ; CO802.24@172.05,45.836 172.05,45.006 ; CO802.29@174.55,45.836 174.55,45.006 ; 126,35.513 130.99,35.513 131.7,36.223 173.2,36.223 174.2,37.223 174.2,43.202 174.55,43.552 CO802.4@174.55,44.176 174.55,45.006 ; 126,35.513 126,38.013 ; 126,38.013 131.01,38.013 131.7,37.323 170.8,37.323 172.4,38.923 172.4,43.202 172.05,43.552 CO802.9@172.05,44.176 172.05,45.006 ; 172.05,45.006 174.55,45.006
USB7_CC1: CO801.5 CO802.5 | length 56.2
  Layer 3 w0.127: v1(125.17,36.013) 172.59,36.013 174.05,37.473 v1(174.05,44.176)
USB7_CC2: CO801.25 CO802.25 | length 53.2
  Top Layer w0.127: CO801.25@126.83,37.513 v1(128.5,37.513)
  Layer 3 w0.127: v1(128.5,37.513) 171.19,37.513 172.55,38.873 v1(172.55,45.836)
USB7_N: CO801.7 CO801.27 CO802.7 CO802.27 | length 66.1
  Top Layer w0.15: v1(173.5,41.506) 173.5,41.465 173.427,41.393 173.427,37.89 172.173,36.635 131.391,36.635 130.62,36.635 ccw(c130.62,36.307) 130.291,36.307 cw(c129.962,36.306) 129.962,35.977 cw(c129.962,36.306) 129.633,36.306 ccw(c129.304,36.307) 129.304,36.635 ccw(c129.304,36.307) 128.975,36.307 128.975,36.291 cw(c128.646,36.291) 128.646,35.962 cw(c128.646,36.291) 128.317,36.291 128.317,36.307 ccw(c127.988,36.307) 127.988,36.635 127.255,36.635 CO801.27@127.228,36.635 ; CO801.27@127.105,36.513 CO801.27@127.228,36.635 ; CO801.27@127.105,36.513 v1(126.83,36.513) CO801.27@127.105,36.513 ; CO801.27@127.105,36.513 CO801.27@127.228,36.635
  Layer 3 w0.125: v1(125.17,37.013) 125.123,37.013 125.02,36.91 124.652,36.91 124.5,37.063 124.5,37.363 124.6,37.463 124.7,37.563 125.43,37.563 126.378,36.615 126.68,36.615 126.783,36.513 v1(126.83,36.513) ; v1(173.05,44.176) 173.05,44.223 173.152,44.326 173.152,44.628 174.1,45.576 174.1,46.306 174,46.406 173.9,46.506 173.6,46.506 173.447,46.353 173.447,45.986 173.55,45.883 v1(173.55,45.836)
  Layer 6 w0.125: v1(173.5,41.506) 173.467,41.539 173.467,41.648 173.447,41.667 173.447,42.022 172.195,43.275 172.195,44.178 173.447,45.43 173.447,45.686 173.55,45.789 v1(173.55,45.836)
USB7_P: CO801.6 CO801.26 CO802.6 CO802.26 | length 66.1
  Top Layer w0.15: v1(173.1,41.506) 173.1,41.465 173.172,41.393 173.172,37.995 172.067,36.891 CO801.26@127.228,36.891 ; CO801.26@127.105,37.013 CO801.26@127.228,36.891 ; CO801.26@127.105,37.013 v1(126.83,37.013) CO801.26@127.105,37.013 ; CO801.26@127.105,37.013 CO801.26@127.228,36.89
  Layer 3 w0.125: v1(125.17,36.513) 125.123,36.513 125.02,36.615 124.53,36.615 124.205,36.941 124.205,37.485 124.578,37.858 125.552,37.858 126.5,36.91 126.68,36.91 126.783,37.013 v1(126.83,37.013) ; v1(173.05,45.836) 173.05,45.883 173.152,45.986 173.152,46.476 173.478,46.801 174.022,46.801 174.395,46.428 174.395,45.454 173.447,44.506 173.447,44.326 173.55,44.223 v1(173.55,44.176)
  Layer 6 w0.125: v1(173.05,45.836) 173.05,45.789 173.152,45.686 173.152,45.552 171.9,44.3 171.9,43.152 173.152,41.9 173.152,41.667 173.133,41.648 173.133,41.539 v1(173.1,41.506)
USB7_RX1_N: CO801.30 CO802.30 | length 68.7
  Bottom Layer w0.15: v1(126.83,35.013) 126.87,35.013 126.993,34.89 127.292,34.89 127.744,35.343 128.657,35.343 129.9,34.1 130.147,34.1 130.222,34.1 ccw(c130.222,34.302) 130.424,34.302 130.424,34.513 cw(c130.626,34.513) 130.626,34.715 cw(c130.626,34.513) 130.828,34.513 130.828,34.302 ccw(c131.03,34.302) 131.03,34.1 131.4,34.1 133.325,34.1 134.568,35.343 135,35.343 135.862,35.343 cw(c135.862,34.886) 136.319,34.886 136.319,33.005 ccw(c136.521,33.005) 136.723,33.005 136.723,34.973 cw(c137.18,34.973) 137.637,34.973 137.637,33.318 ccw(c137.839,33.318) 138.041,33.318 138.041,34.886 cw(c138.498,34.886) 138.498,35.343 142.024,35.343 173.543,35.343 174.7,36.5 174.7,43.261 175.172,43.733 175.172,45.673 175.05,45.796 v1(175.05,45.836)
USB7_RX1_P: CO801.31 CO802.31 | length 68.7
  Bottom Layer w0.15: v1(126.83,34.513) 126.87,34.513 126.993,34.635 127.397,34.635 127.85,35.088 128.551,35.088 129.794,33.845 130.015,33.845 130.494,33.845 cw(c130.494,33.643) 130.696,33.643 ccw(c130.898,33.643) 130.898,33.441 ccw(c130.898,33.643) 131.1,33.643 cw(c131.302,33.643) 131.302,33.845 131.7,33.845 133.431,33.845 134.674,35.088 135,35.088 135.862,35.088 cw(c135.862,34.886) 136.064,34.886 136.064,33.005 ccw(c136.521,33.005) 136.978,33.005 136.978,34.973 cw(c137.18,34.973) 137.382,34.973 137.382,33.318 ccw(c137.839,33.318) 138.296,33.318 138.296,34.886 cw(c138.498,34.886) 138.498,35.088 142.024,35.088 173.649,35.088 174.955,36.394 174.955,43.155 175.428,43.627 175.428,45.673 175.55,45.796 v1(175.55,45.836)
USB7_RX2_N: CO801.10 CO802.10 | length 69.2
  Top Layer w0.15: v1(132,38.103) 132.041,38.103 132.113,38.175 132.501,38.175 132.703,38.175 ccw(c132.703,38.759) 133.287,38.759 133.287,40.332 cw(c133.616,40.332) 133.945,40.332 133.945,38.739 ccw(c134.529,38.739) 135.113,38.739 135.113,40.332 cw(c135.442,40.332) 135.771,40.332 135.771,38.739 ccw(c136.355,38.739) 136.939,38.739 136.939,40.332 cw(c137.268,40.332) 137.597,40.332 137.597,38.739 ccw(c138.181,38.739) 138.765,38.739 138.765,39.771 cw(c139.094,39.771) 139.423,39.771 139.423,38.759 ccw(c140.007,38.759) 140.007,38.175 141.008,38.175 170.713,38.175 171.88,39.342 171.88,43.262 171.528,43.614 171.528,44.154 CO802.10@171.55,44.176
  Layer 6 w0.125: v1(125.17,38.513) 125.217,38.513 125.32,38.615 125.5,38.615 126.252,37.863 127.8,37.863 128.092,38.155 128.116,38.155 ; 128.168,38.155 128.116,38.155 ; v1(132,38.103) 131.967,38.136 131.858,38.136 131.839,38.155 131.343,38.155 ccw(c131.343,37.839) 131.027,37.839 cw(c130.71,37.839) 130.71,37.522 cw(c130.71,37.839) 130.394,37.839 ccw(c130.077,37.839) 130.077,38.155 128.116,38.155
USB7_RX2_P: CO801.11 CO802.11 | length 69.3
  Top Layer w0.15: v1(132,38.503) 132.041,38.503 132.113,38.43 132.501,38.43 132.703,38.43 ccw(c132.703,38.759) 133.032,38.759 133.032,40.332 cw(c133.616,40.332) 134.2,40.332 134.2,38.739 ccw(c134.529,38.739) 134.858,38.739 134.858,40.332 cw(c135.442,40.332) 136.026,40.332 136.026,38.739 ccw(c136.355,38.739) 136.684,38.739 136.684,40.332 cw(c137.268,40.332) 137.852,40.332 137.852,38.739 ccw(c138.181,38.739) 138.51,38.739 138.51,39.771 cw(c139.094,39.771) 139.678,39.771 139.678,38.759 ccw(c140.007,38.759) 140.007,38.43 141.008,38.43 170.607,38.43 171.625,39.448 171.625,43.156 171.225,43.556 171.225,43.726 171.05,43.901 CO802.11@171.05,44.176
  Layer 6 w0.125: v1(125.17,39.013) 125.217,39.013 125.32,38.91 125.622,38.91 126.375,38.158 127.678,38.158 127.97,38.45 128.126,38.45 ; 128.171,38.45 128.126,38.45 ; v1(132,38.503) 131.967,38.47 131.858,38.47 131.839,38.45 131.475,38.45 130.72,38.45 cw(c130.72,38.767) 130.404,38.767 130.404,38.951 ccw(c130.087,38.951) 130.087,39.267 ccw(c130.087,38.951) 129.771,38.951 129.771,38.767 cw(c129.454,38.767) 129.454,38.45 128.126,38.45
USB7_TX1_N: CO801.3 CO802.3 | length 69.4
  Top Layer w0.15: v1(132,35.423) 132.041,35.423 132.113,35.35 132.117,35.35 133.232,35.35 cw(c133.232,34.766) 133.816,34.766 133.816,33.189 ccw(c134.145,33.189) 134.474,33.189 134.474,34.806 cw(c135.058,34.806) 135.642,34.806 135.642,33.257 ccw(c135.971,33.257) 136.3,33.257 136.3,34.806 cw(c136.884,34.806) 137.468,34.806 137.468,34.766 ccw(c137.797,34.766) 138.126,34.766 cw(c138.71,34.766) 138.71,35.35 139.561,35.35 173.527,35.35 174.72,36.543 174.72,43.262 175.072,43.614 175.072,44.154 CO802.3@175.05,44.176
  Layer 6 w0.125: 128.092,35.371 127.605,35.858 126.447,35.858 125.5,34.911 125.32,34.911 ; 128.168,35.371 128.122,35.37 128.215,35.37 128.278,35.37 ccw(c128.278,35.687) 128.594,35.687 128.594,35.926 cw(c128.911,35.926) 128.911,36.242 cw(c128.911,35.926) 129.227,35.926 129.227,35.687 ccw(c129.544,35.687) 129.544,35.37 130.291,35.37 131.839,35.37 131.858,35.39 131.967,35.39 v1(132,35.423) ; v1@125.217,35.013 v1(125.17,35.013) v1@125.217,35.013 ; v1@125.217,35.013 125.32,34.911 ; v1@125.217,35.013 125.32,34.91
USB7_TX1_P: CO801.2 CO802.2 | length 69.4
  Top Layer w0.15: v1(132,35.023) 132.041,35.023 132.113,35.095 132.117,35.095 133.232,35.095 cw(c133.232,34.766) 133.561,34.766 133.561,33.189 ccw(c134.145,33.189) 134.729,33.189 134.729,34.806 cw(c135.058,34.806) 135.387,34.806 135.387,33.257 ccw(c135.971,33.257) 136.555,33.257 136.555,34.806 cw(c136.884,34.806) 137.213,34.806 137.213,34.766 ccw(c137.797,34.766) 138.381,34.766 cw(c138.71,34.766) 138.71,35.095 139.561,35.095 173.633,35.095 174.975,36.437 174.975,43.156 175.375,43.556 175.375,43.726 175.55,43.901 CO802.2@175.55,44.176
  Layer 6 w0.125: v1(132,35.023) 131.967,35.056 131.858,35.056 131.839,35.075 131.732,35.075 130.818,35.075 ccw(c130.818,34.759) 130.502,34.759 cw(c130.185,34.759) 130.185,34.442 cw(c130.185,34.759) 129.869,34.759 ccw(c129.552,34.759) 129.552,35.075 128.857,35.075 127.97,35.076 127.483,35.563 126.57,35.563 125.622,34.616 125.32,34.616 ; v1@125.217,34.513 125.32,34.616 ; v1@125.217,34.513 v1(125.17,34.513) v1@125.217,34.513 ; v1@125.217,34.513 125.32,34.615
USB7_TX2_N: CO801.23 CO802.23 | length 68.7
  Bottom Layer w0.15: v1(126.83,38.513) 126.87,38.513 126.993,38.635 127.226,38.635 127.679,38.183 128.683,38.183 129.75,39.25 130.229,39.25 cw(c130.229,39.048) 130.431,39.048 ccw(c130.633,39.048) 130.633,38.846 ccw(c130.633,39.048) 130.835,39.048 cw(c131.037,39.048) 131.037,39.25 132,39.25 132.95,39.25 134.017,38.183 135,38.183 135.203,38.183 ccw(c135.203,38.64) 135.66,38.64 135.66,40.471 cw(c135.862,40.471) 136.064,40.471 136.064,38.553 ccw(c136.521,38.553) 136.978,38.553 136.978,40.471 cw(c137.18,40.471) 137.382,40.471 137.382,38.553 ccw(c137.839,38.553) 138.296,38.553 138.296,40.471 cw(c138.498,40.471) 138.699,40.471 138.699,38.553 ccw(c139.156,38.553) 139.613,38.553 139.613,38.771 cw(c139.815,38.771) 140.017,38.771 140.017,38.64 ccw(c140.474,38.64) 140.474,38.183 143.7,38.183 170.775,38.183 171.88,39.288 171.88,43.262 171.427,43.714 171.427,45.673 171.55,45.796 v1(171.55,45.836)
USB7_TX2_P: CO801.22 CO802.22 | length 68.7
  Bottom Layer w0.15: v1(126.83,39.013) 126.87,39.013 126.993,38.89 127.332,38.89 127.785,38.438 128.577,38.438 129.644,39.505 129.883,39.505 129.958,39.505 ccw(c129.958,39.707) 130.16,39.707 130.16,39.918 cw(c130.362,39.918) 130.362,40.12 cw(c130.362,39.918) 130.564,39.918 130.564,39.707 ccw(c130.766,39.707) 130.766,39.505 131.3,39.505 133.056,39.505 134.123,38.438 135,38.438 135.203,38.438 ccw(c135.203,38.64) 135.405,38.64 135.405,40.471 cw(c135.862,40.471) 136.319,40.471 136.319,38.553 ccw(c136.521,38.553) 136.723,38.553 136.723,40.471 cw(c137.18,40.471) 137.637,40.471 137.637,38.553 ccw(c137.839,38.553) 138.041,38.553 138.041,40.471 cw(c138.498,40.471) 138.954,40.471 138.954,38.553 ccw(c139.156,38.553) 139.358,38.553 139.358,38.771 cw(c139.815,38.771) 140.272,38.771 140.272,38.64 ccw(c140.474,38.64) 140.474,38.438 143.7,38.438 170.669,38.438 171.625,39.394 171.625,43.156 171.172,43.609 171.172,45.673 171.05,45.796 v1(171.05,45.836)
pads on no net: CO101.0 CO101.8 CO101.28 CO102.0 CO102.8 CO102.28 CO201.0 CO201.8 CO201.28 CO202.8 CO202.28 CO202.HOLE CO301.0 CO301.8 CO301.28 CO302.8 CO302.28 CO302.HOLE CO401.0 CO401.8 CO401.28 CO402.8 CO402.28 CO402.HOLE CO501.0 CO501.8 CO501.28 CO502.8 CO502.28 CO502.HOLE CO601.0 CO601.8 CO601.28 CO602.8 CO602.28 CO602.HOLE CO701.0 CO701.8 CO701.28 CO702.8 CO702.28 CO702.HOLE CO801.0 CO801.8 CO801.28 CO802.0 CO802.8 CO802.28 Fid1.1 Fid2.1 Fid3.1 Fid4.1

## Polygon pours and split planes (outlines as drawn)
GND on Bottom Layer "GND_L08_P000" (solid, pour order 0): 27,30 183,30 183,76 27,76
GND on Layer 7 "GND_L07_P001" (solid, pour order 1): 27,30 183,30 183,76 27,76
GND on Layer 5 "GND_L05_P003" (solid, pour order 3): 27,30 183,30 183,76 27,76
GND on Layer 4 "GND_L04_P004" (solid, pour order 4): 27,30 183,30 183,76 27,76
GND on Layer 3 "GND_L03_P005" (solid, pour order 5): 27,30 183,30 183,76 27,76
GND on Layer 6 "GND_L06_P002" (solid, pour order 2): 27,30 183,30 183,76 27,76
GND on Layer 2 "GND_L02_P006" (solid, pour order 6): 27,30 183,30 183,76 27,76
GND on Top Layer "GND_L01_P007" (solid, pour order 7): 27,30 183,30 183,76 27,76

## Silkscreen, mask and mechanical layers (free items; w line width, h text height)
Top Overlay:
  text "Position 2 / USB1" at 34.625,63.917 h1.5
  text "Position 3 / USB2" at 61.625,63.917 h1.5
  text "Position 4 / USB3" at 88.625,63.917 h1.5
  text "Position 7 / USB6" at 115.625,63.917 h1.5
  text "Position 5 / USB4" at 142.625,63.917 h1.5
  text "Position 6 / USB5" at 169.625,63.917 h1.5
  text "Grid - part 1 of 3" at 49.406,49.056 h3
  text "V.Rev" at 49.406,46.056 h3
  text "Position 1 / USB0" at 33.925,38.917 h1.5
  text "Position 8 / USB7" at 170.425,38.917 h1.5
Board Shape:
  the board outline again, w0.025

## Text inside footprints (layer, text, board x,y; h text height)
"Logo FxLand1": Top Overlay "Fx.Land" at 135.755,33.501 h5